# Altium PCB RPlan_LB.PcbDoc (part 4 of 5)
Units mm, origin at the board's own origin, x right, y up, seen from the top; angles counter-clockwise.
Board outline 152.4 x 101.6 mm, 2 copper layers (Top Layer, Bottom Layer); 94 components, 100 nets, 537 pads, 95 vias.
Unrouted connection lines stored in the file: 138.
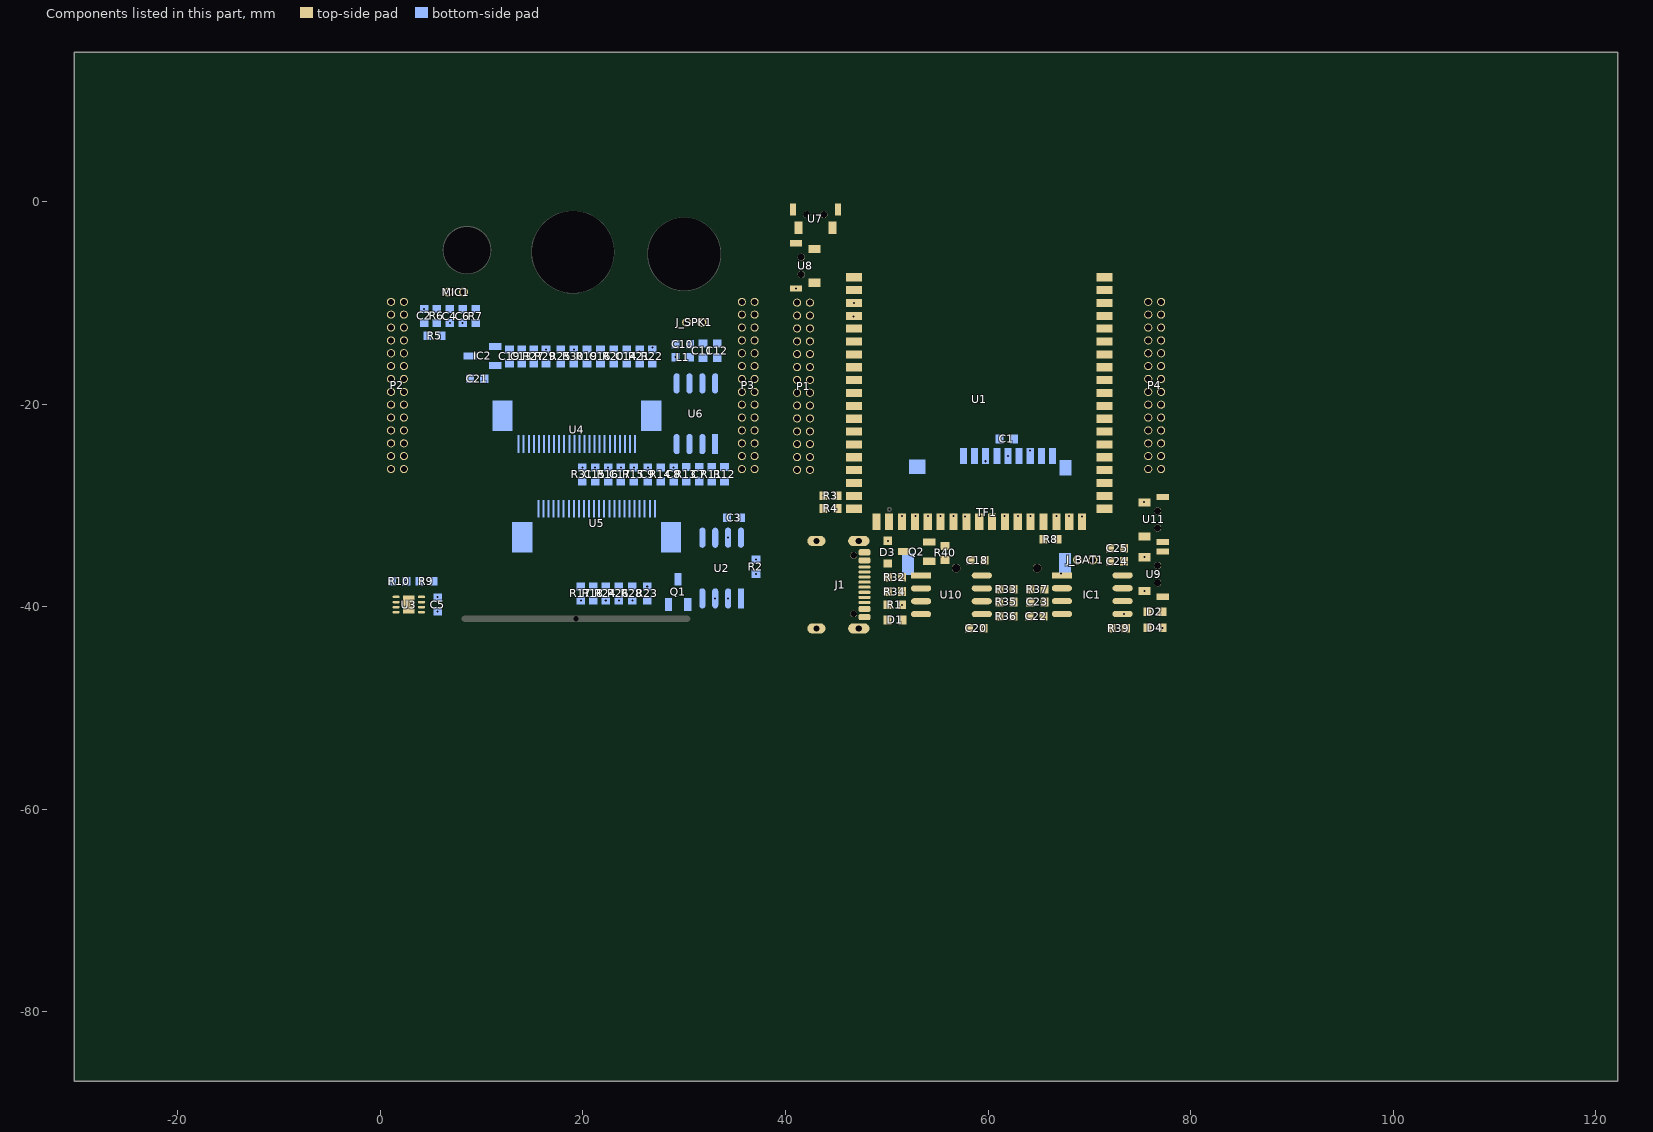
[diagram p4: the components of this part, seen from the top]

## Via types
v1: diameter 0.5, hole 0.3, Top Layer to Bottom Layer, 70 vias
v2: diameter 0.4, hole 0.2, Top Layer to Bottom Layer, 25 vias

## Nets (pads, with @x,y where several pads share a name; then routed paths per layer and width w, separated by ;. In a path a pad name is that pad's centre, name@x,y a point inside that pad or via, vN(x,y) a via of type N, cw(c..) or ccw(c..) an arc to the next point about the centre after c; other vN are vias at no path point) (continued)
copper on no net: (continued)
  Bottom Layer w0.025: 56.497,-15.715 57.386,-15.715 ; 56.497,-15.69 57.386,-15.69 ; 56.497,-15.664 57.386,-15.664 ; 56.497,-15.639 57.386,-15.639 ; 56.497,-15.613 57.386,-15.613 ; 56.497,-15.588 57.386,-15.588 ; 56.497,-15.563 57.386,-15.563 ; 56.497,-15.537 57.386,-15.537 ; 56.497,-15.512 57.386,-15.512 ; 56.497,-15.486 57.386,-15.486 ; 56.497,-15.461 57.386,-15.461 ; 56.497,-15.436 57.386,-15.436 ; 56.497,-15.41 57.183,-15.41 ; 56.497,-15.385 57.183,-15.385 ; 56.497,-15.359 57.183,-15.359 ; 56.497,-15.334 57.183,-15.334 ; 56.497,-15.309 57.183,-15.309 ; 56.497,-15.283 57.183,-15.283 ; 56.497,-15.258 57.183,-15.258 ; 56.497,-15.232 57.183,-15.232 ; 56.497,-15.207 57.183,-15.207 ; 56.497,-15.182 57.183,-15.182 ; 56.497,-15.156 57.183,-15.156 ; 56.497,-15.131 57.183,-15.131 ; 56.497,-14.775 56.852,-14.775 ; 56.497,-14.75 56.852,-14.75 ; 56.497,-14.724 56.852,-14.724 ; 56.497,-14.699 56.852,-14.699 ; 56.497,-14.674 56.852,-14.674 ; 56.497,-14.648 56.852,-14.648 ; 56.497,-14.623 56.852,-14.623 ; 56.497,-14.597 56.852,-14.597 ; 56.497,-14.572 56.852,-14.572 ; 56.497,-14.547 56.852,-14.547 ; 56.497,-14.521 56.852,-14.521 ; 56.497,-14.496 56.852,-14.496 ; 56.497,-14.47 56.852,-14.47 ; 56.497,-14.445 56.852,-14.445 ; 56.497,-14.115 56.852,-14.115 ; 56.497,-14.089 56.852,-14.089 ; 56.497,-14.064 56.852,-14.064 ; 56.497,-14.039 56.852,-14.039 ; 56.497,-14.013 56.852,-14.013 ; 56.497,-13.988 56.852,-13.988 ; 56.497,-13.962 56.852,-13.962 ; 56.497,-13.937 56.852,-13.937 ; 56.497,-13.912 56.852,-13.912 ; 56.497,-13.886 56.852,-13.886 ; 56.497,-13.861 56.852,-13.861 ; 56.497,-13.835 56.852,-13.835 ; 56.497,-13.81 56.852,-13.81 ; 56.497,-13.429 56.878,-13.429 ; 56.497,-13.404 56.852,-13.404 ; 56.497,-13.378 56.852,-13.378 ; 56.497,-13.353 56.852,-13.353 ; 56.497,-13.327 56.852,-13.327 ; 56.497,-13.302 56.852,-13.302 ; 56.497,-13.277 56.852,-13.277 ; 56.497,-13.251 56.852,-13.251 ; 56.497,-13.226 56.852,-13.226 ; 56.497,-13.2 56.852,-13.2 ; 56.497,-13.175 56.852,-13.175 ; 56.497,-13.15 56.852,-13.15 ; 56.497,-12.743 56.852,-12.743 ; 56.497,-12.718 56.852,-12.718 ; 56.497,-12.692 56.852,-12.692 ; 56.497,-12.667 56.852,-12.667 ; 56.497,-12.642 56.852,-12.642 ; 56.497,-12.616 56.852,-12.616 ; 56.497,-12.591 56.852,-12.591 ; 56.497,-12.565 56.852,-12.565 ; 56.497,-12.54 56.852,-12.54 ; 56.497,-12.515 56.852,-12.515 ; 56.497,-12.489 56.852,-12.489 ; 56.497,-12.464 56.852,-12.464 ; 56.802,-21.405 57.183,-21.405 ; 56.802,-21.379 57.183,-21.379 ; 56.802,-21.252 57.183,-21.252 ; 56.802,-21.227 57.183,-21.227 ; 56.802,-21.125 57.183,-21.125 ; 56.802,-19.525 57.183,-19.525 ; 56.802,-19.5 57.183,-19.5 ; 56.802,-19.474 57.183,-19.474 ; 56.802,-18.738 57.843,-18.738 ; 56.802,-18.712 57.843,-18.712 ; 56.802,-18.611 57.843,-18.611 ; 56.802,-18.534 57.843,-18.534 ; 56.802,-18.509 57.843,-18.509 ; 56.802,-18.484 57.843,-18.484 ; 56.802,-18.458 57.843,-18.458 ; 56.802,-12.108 57.183,-12.108 ; 56.802,-12.083 57.183,-12.083 ; 56.802,-11.829 57.183,-11.829 ; 56.802,-11.803 59.164,-11.803 ; 56.802,-11.778 59.164,-11.778 ; 56.802,-11.448 57.538,-11.448 ; 56.802,-11.422 57.538,-11.422 ; 56.802,-11.397 57.538,-11.397 ; 56.802,-11.194 57.538,-11.194 ; 56.802,-11.168 57.538,-11.168 ; 56.802,-11.143 57.538,-11.143 ; 56.802,-10.432 58.529,-10.432 ; 56.802,-10.406 58.529,-10.406 ; 56.852,-21.354 57.183,-21.354 ; 56.852,-21.328 57.183,-21.328 ; 56.852,-21.303 57.183,-21.303 ; 56.852,-21.278 57.183,-21.278 ; 56.852,-21.201 57.183,-21.201 ; 56.852,-21.176 57.183,-21.176 ; 56.852,-21.151 57.183,-21.151 ; 56.852,-20.058 57.183,-20.058 ; 56.852,-20.033 57.183,-20.033 ; 56.852,-20.008 57.183,-20.008 ; 56.852,-19.982 57.183,-19.982 ; 56.852,-19.957 57.183,-19.957 ; 56.852,-19.931 57.183,-19.931 ; 56.852,-19.906 57.183,-19.906 ; 56.852,-19.881 57.183,-19.881 ; 56.852,-19.855 57.183,-19.855 ; 56.852,-19.83 57.183,-19.83 ; 56.852,-19.804 57.183,-19.804 ; 56.852,-19.779 57.183,-19.779 ; 56.852,-19.754 57.183,-19.754 ; 56.852,-19.728 57.183,-19.728 ; 56.852,-19.703 57.183,-19.703 ; 56.852,-19.677 57.183,-19.677 ; 56.852,-19.652 57.183,-19.652 ; 56.852,-19.627 57.183,-19.627 ; 56.852,-19.601 57.183,-19.601 ; 56.852,-19.576 57.183,-19.576 ; 56.852,-19.55 57.183,-19.55 ; 56.852,-18.687 57.843,-18.687 ; 56.852,-18.661 57.843,-18.661 ; 56.852,-18.636 57.843,-18.636 ; 56.852,-18.585 57.843,-18.585 ; 56.852,-18.56 57.843,-18.56 ; 56.852,-12.057 57.183,-12.057 ; 56.852,-12.032 57.183,-12.032 ; 56.852,-12.007 57.183,-12.007 ; 56.852,-11.981 57.183,-11.981 ; 56.852,-11.956 57.183,-11.956 ; 56.852,-11.93 57.183,-11.93 ; 56.852,-11.905 57.183,-11.905 ; 56.852,-11.88 57.183,-11.88 ; 56.852,-11.854 57.183,-11.854 ; 56.852,-11.372 57.538,-11.372 ; 56.852,-11.346 57.538,-11.346 ; 56.852,-11.321 57.538,-11.321 ; 56.852,-11.295 57.538,-11.295 ; 56.852,-11.27 57.538,-11.27 ; 56.852,-11.245 57.538,-11.245 ; 56.852,-11.219 57.538,-11.219 ; 56.852,-10.457 58.529,-10.457 ; 56.852,-10.381 58.529,-10.381 ; 56.852,-10.356 58.529,-10.356 ; 56.852,-10.33 58.529,-10.33 ; 56.852,-10.305 58.529,-10.305 ; 56.852,-10.279 58.529,-10.279 ; 56.852,-10.254 58.529,-10.254 ; 56.852,-10.229 58.529,-10.229 ; 56.852,-10.203 58.529,-10.203 ; 56.852,-10.178 58.529,-10.178 ; 56.852,-10.152 58.529,-10.152 ; 56.852,-10.127 59.85,-10.127 ; 56.852,-10.102 59.85,-10.102 ; 57.157,-22.09 58.173,-22.09 ; 57.157,-22.065 58.173,-22.065 ; 57.157,-22.04 58.173,-22.04 ; 57.157,-22.014 58.173,-22.014 ; 57.157,-21.989 58.173,-21.989 ; 57.157,-21.963 58.173,-21.963 ; 57.157,-21.938 58.173,-21.938 ; 57.157,-21.913 58.173,-21.913 ; 57.157,-21.887 58.173,-21.887 ; 57.157,-21.862 58.173,-21.862 ; 57.157,-21.836 58.173,-21.836 ; 57.157,-21.811 58.173,-21.811 ; 57.157,-21.786 58.173,-21.786 ; 57.157,-21.76 58.173,-21.76 ; 57.157,-21.049 57.538,-21.049 ; 57.157,-21.024 57.538,-21.024 ; 57.157,-20.998 57.538,-20.998 ; 57.157,-20.973 57.538,-20.973 ; 57.157,-20.947 57.538,-20.947 ; 57.157,-20.922 57.538,-20.922 ; 57.157,-20.897 57.538,-20.897 ; 57.157,-20.871 57.538,-20.871 ; 57.157,-20.846 57.538,-20.846 ; 57.157,-20.82 57.538,-20.82 ; 57.157,-20.795 57.538,-20.795 ; 57.157,-20.77 57.538,-20.77 ; 57.157,-20.414 57.538,-20.414 ; 57.157,-20.389 57.538,-20.389 ; 57.157,-20.363 57.538,-20.363 ; 57.157,-20.338 57.538,-20.338 ; 57.157,-20.312 57.538,-20.312 ; 57.157,-20.287 57.538,-20.287 ; 57.157,-20.262 57.538,-20.262 ; 57.157,-20.236 57.538,-20.236 ; 57.157,-20.211 57.538,-20.211 ; 57.157,-20.185 57.538,-20.185 ; 57.157,-20.16 57.538,-20.16 ; 57.157,-20.135 57.538,-20.135 ; 57.157,-17.747 57.538,-17.747 ; 57.157,-17.722 57.538,-17.722 ; 57.157,-17.696 57.538,-17.696 ; 57.157,-17.671 57.538,-17.671 ; 57.157,-17.645 57.538,-17.645 ; 57.157,-17.62 57.538,-17.62 ; 57.157,-17.595 57.538,-17.595 ; 57.157,-17.569 57.538,-17.569 ; 57.157,-17.544 57.538,-17.544 ; 57.157,-17.518 57.538,-17.518 ; 57.157,-17.493 57.538,-17.493 ; 57.157,-17.468 57.538,-17.468 ; 57.157,-16.756 57.386,-16.756 ; 57.157,-16.731 57.386,-16.731 ; 57.157,-16.706 57.386,-16.706 ; 57.157,-16.68 57.386,-16.68 ; 57.157,-16.655 57.386,-16.655 ; 57.157,-16.629 57.386,-16.629 ; 57.157,-16.604 57.386,-16.604 ; 57.157,-16.579 57.386,-16.579 ; 57.157,-16.553 57.386,-16.553 ; 57.157,-16.528 57.386,-16.528 ; 57.157,-16.502 57.386,-16.502 ; 57.157,-16.477 57.386,-16.477 ; 57.157,-15.08 57.386,-15.08 ; 57.157,-15.055 57.386,-15.055 ; 57.157,-15.029 57.386,-15.029 ; 57.157,-15.004 57.386,-15.004 ; 57.157,-14.978 57.386,-14.978 ; 57.157,-14.953 57.386,-14.953 ; 57.157,-14.928 57.386,-14.928 ; 57.157,-14.902 57.386,-14.902 ; 57.157,-14.877 57.386,-14.877 ; 57.157,-14.851 57.386,-14.851 ; 57.157,-14.826 57.386,-14.826 ; 57.157,-14.801 57.386,-14.801 ; 57.157,-14.775 57.386,-14.775 ; 57.157,-14.75 57.386,-14.75 ; 57.157,-14.724 57.386,-14.724 ; 57.157,-14.699 57.386,-14.699 ; 57.157,-14.674 57.386,-14.674 ; 57.157,-14.648 57.411,-14.648 ; 57.157,-14.623 57.411,-14.623 ; 57.157,-14.597 57.411,-14.597 ; 57.157,-14.572 57.462,-14.572 ; 57.157,-14.547 57.462,-14.547 ; 57.157,-14.521 57.462,-14.521 ; 57.157,-14.496 57.487,-14.496 ; 57.157,-14.47 57.538,-14.47 ; 57.157,-14.445 57.538,-14.445 ; 57.157,-13.429 57.843,-13.429 ; 57.157,-13.404 57.843,-13.404 ; 57.157,-13.378 57.843,-13.378 ; 57.157,-13.353 57.843,-13.353 ; 57.157,-13.327 57.843,-13.327 ; 57.157,-13.302 57.843,-13.302 ; 57.157,-13.277 57.843,-13.277 ; 57.157,-13.251 57.843,-13.251 ; 57.157,-13.226 57.843,-13.226 ; 57.157,-13.2 57.843,-13.2 ; 57.157,-13.175 57.843,-13.175 ; 57.157,-13.15 57.843,-13.15 ; 57.157,-12.743 57.843,-12.743 ; 57.157,-12.718 57.843,-12.718 ; 57.157,-12.692 57.843,-12.692 ; 57.157,-12.667 57.843,-12.667 ; 57.157,-12.642 57.843,-12.642 ; 57.157,-12.616 57.843,-12.616 ; 57.157,-12.591 57.843,-12.591 ; 57.157,-12.565 57.843,-12.565 ; 57.157,-12.54 57.843,-12.54 ; 57.157,-12.515 57.843,-12.515 ; 57.157,-12.489 57.843,-12.489 ; 57.157,-12.464 57.843,-12.464 ; 57.157,-11.753 57.538,-11.753 ; 57.157,-11.727 57.538,-11.727 ; 57.157,-11.702 57.538,-11.702 ; 57.157,-11.676 57.538,-11.676 ; 57.157,-11.651 57.538,-11.651 ; 57.157,-11.626 57.538,-11.626 ; 57.157,-11.6 57.538,-11.6 ; 57.157,-11.575 57.538,-11.575 ; 57.157,-11.549 57.538,-11.549 ; 57.157,-11.524 57.538,-11.524 ; 57.157,-11.499 57.538,-11.499 ; 57.157,-11.473 57.538,-11.473 ; 57.157,-10.813 57.538,-10.813 ; 57.157,-10.787 57.538,-10.787 ; 57.157,-10.762 57.538,-10.762 ; 57.157,-10.737 57.538,-10.737 ; 57.157,-10.711 57.538,-10.711 ; 57.157,-10.686 57.538,-10.686 ; 57.157,-10.66 57.538,-10.66 ; 57.157,-10.635 57.538,-10.635 ; 57.157,-10.61 57.538,-10.61 ; 57.157,-10.584 57.538,-10.584 ; 57.157,-10.559 57.538,-10.559 ; 57.157,-10.533 57.538,-10.533 ; 57.157,-10.508 57.538,-10.508 ; 57.157,-10.483 57.538,-10.483 ; 57.487,-21.735 57.868,-21.735 ; 57.487,-21.709 57.843,-21.709 ; 57.487,-21.684 57.843,-21.684 ; 57.487,-21.659 57.843,-21.659 ; 57.487,-21.633 57.843,-21.633 ; 57.487,-21.608 57.843,-21.608 ; 57.487,-21.582 57.843,-21.582 ; 57.487,-21.557 57.843,-21.557 ; 57.487,-21.532 57.843,-21.532 ; 57.487,-21.506 57.843,-21.506 ; 57.487,-21.481 57.843,-21.481 ; 57.487,-21.455 57.843,-21.455 ; 57.487,-21.43 57.843,-21.43 ; 57.487,-21.405 57.843,-21.405 ; 57.487,-21.379 57.843,-21.379 ; 57.487,-21.354 57.843,-21.354 ; 57.487,-21.328 57.843,-21.328 ; 57.487,-21.303 57.843,-21.303 ; 57.487,-21.278 57.843,-21.278 ; 57.487,-21.252 57.843,-21.252 ; 57.487,-21.227 57.843,-21.227 ; 57.487,-21.201 57.843,-21.201 ; 57.487,-21.176 57.843,-21.176 ; 57.487,-21.151 57.843,-21.151 ; 57.487,-21.125 57.843,-21.125 ; 57.487,-19.754 59.519,-19.754 ; 57.487,-19.728 58.529,-19.728 ; 57.487,-19.703 58.529,-19.703 ; 57.487,-19.677 58.529,-19.677 ; 57.487,-19.652 58.529,-19.652 ; 57.487,-19.627 58.529,-19.627 ; 57.487,-19.601 58.529,-19.601 ; 57.487,-19.576 58.529,-19.576 ; 57.487,-19.55 58.529,-19.55 ; 57.487,-19.525 58.529,-19.525 ; 57.487,-19.5 58.529,-19.5 ; 57.487,-19.474 58.529,-19.474 ; 57.487,-14.42 57.564,-14.42 ; 57.487,-14.394 57.64,-14.394 ; 57.487,-14.369 57.64,-14.369 ; 57.487,-14.343 57.716,-14.343 ; 57.487,-14.318 57.843,-14.318 ; 57.487,-14.293 57.843,-14.293 ; 57.487,-14.267 57.843,-14.267 ; 57.487,-14.242 57.843,-14.242 ; 57.487,-14.216 57.843,-14.216 ; 57.487,-14.191 57.843,-14.191 ; 57.487,-14.166 57.843,-14.166 ; 57.487,-14.14 57.843,-14.14 ; 57.487,-14.115 57.843,-14.115 ; 57.487,-14.089 57.843,-14.089 ; 57.487,-14.064 57.843,-14.064 ; 57.487,-14.039 57.843,-14.039 ; 57.487,-14.013 57.843,-14.013 ; 57.487,-13.988 57.843,-13.988 ; 57.487,-13.962 57.843,-13.962 ; 57.487,-13.937 57.843,-13.937 ; 57.487,-13.912 57.843,-13.912 ; 57.487,-13.886 57.843,-13.886 ; 57.487,-13.861 57.843,-13.861 ; 57.487,-13.835 57.843,-13.835 ; 57.487,-13.81 57.843,-13.81 ; 57.487,-12.108 57.843,-12.108 ; 57.487,-12.083 57.843,-12.083 ; 57.487,-12.057 57.843,-12.057 ; 57.487,-12.032 57.843,-12.032 ; 57.487,-12.007 57.843,-12.007 ; 57.487,-11.981 57.843,-11.981 ; 57.487,-11.956 57.843,-11.956 ; 57.487,-11.93 57.843,-11.93 ; 57.487,-11.905 57.843,-11.905 ; 57.487,-11.88 57.843,-11.88 ; 57.487,-11.854 57.843,-11.854 ; 57.487,-11.829 57.843,-11.829 ; 57.614,-15.537 57.843,-15.537 ; 57.614,-15.512 57.843,-15.512 ; 57.614,-15.486 57.691,-15.486 ; 57.614,-15.461 57.64,-15.461 ; 57.614,-15.436 57.64,-15.436 ; 57.64,-15.563 57.792,-15.563 ; 57.691,-15.766 57.716,-15.766 ; 57.691,-15.74 57.716,-15.74 ; 57.691,-15.715 57.767,-15.715 ; 57.691,-15.69 57.767,-15.69 ; 57.691,-15.664 57.767,-15.664 ; 57.691,-15.639 57.767,-15.639 ; 57.691,-15.613 57.767,-15.613 ; 57.691,-15.588 57.767,-15.588 ; 57.767,-15.486 57.843,-15.486 ; 57.767,-15.461 57.843,-15.461 ; 57.767,-15.436 57.843,-15.436 ; 57.792,-17.62 58.173,-17.62 ; 57.792,-17.595 58.173,-17.595 ; 57.792,-17.569 58.173,-17.569 ; 57.843,-20.439 58.834,-20.439 ; 57.843,-20.414 58.173,-20.414 ; 57.843,-20.389 58.173,-20.389 ; 57.843,-20.363 58.173,-20.363 ; 57.843,-20.338 58.173,-20.338 ; 57.843,-20.312 58.173,-20.312 ; 57.843,-20.287 58.173,-20.287 ; 57.843,-20.262 58.173,-20.262 ; 57.843,-20.236 58.173,-20.236 ; 57.843,-20.211 58.173,-20.211 ; 57.843,-20.185 58.173,-20.185 ; 57.843,-20.16 58.173,-20.16 ; 57.843,-20.135 58.173,-20.135 ; 57.843,-20.109 58.173,-20.109 ; 57.843,-20.084 58.173,-20.084 ; 57.843,-17.747 58.173,-17.747 ; 57.843,-17.722 58.173,-17.722 ; 57.843,-17.696 58.173,-17.696 ; 57.843,-17.671 58.173,-17.671 ; 57.843,-17.645 58.173,-17.645 ; 57.843,-13.099 58.834,-13.099 ; 57.843,-13.073 58.834,-13.073 ; 57.843,-13.048 58.834,-13.048 ; 57.843,-13.023 58.834,-13.023 ; 57.843,-12.997 58.834,-12.997 ; 57.843,-12.972 58.834,-12.972 ; 57.843,-12.946 58.834,-12.946 ; 57.843,-12.921 58.834,-12.921 ; 57.843,-12.896 58.834,-12.896 ; 57.843,-12.87 58.834,-12.87 ; 57.843,-12.845 58.834,-12.845 ; 57.843,-12.819 58.834,-12.819 ; 57.843,-11.753 59.164,-11.753 ; 57.843,-11.727 59.164,-11.727 ; 57.843,-11.702 59.164,-11.702 ; 57.843,-11.676 59.164,-11.676 ; 57.843,-11.651 59.164,-11.651 ; 57.843,-11.626 59.164,-11.626 ; 57.843,-11.6 59.164,-11.6 ; 57.843,-11.575 59.164,-11.575 ; 57.843,-11.549 59.164,-11.549 ; 57.843,-11.524 59.164,-11.524 ; 57.843,-11.499 59.164,-11.499 ; 57.843,-11.473 59.164,-11.473 ; 57.843,-11.448 59.519,-11.448 ; 57.868,-15.715 57.945,-15.715 ; 57.868,-15.69 57.945,-15.69 ; 57.868,-15.664 57.945,-15.664 ; 57.868,-15.639 57.945,-15.639 ; 57.868,-15.613 58.072,-15.613 ; 57.868,-15.588 58.072,-15.588 ; 57.868,-15.563 58.072,-15.563 ; 57.868,-15.537 57.945,-15.537 ; 57.868,-15.512 57.945,-15.512 ; 57.868,-15.486 57.945,-15.486 ; 57.868,-15.461 57.919,-15.461 ; 57.868,-15.436 57.919,-15.436 ; 57.919,-16.452 58.249,-16.452 ; 57.919,-16.426 58.249,-16.426 ; 57.919,-16.401 58.402,-16.401 ; 57.919,-16.071 58.3,-16.071 ; 57.919,-16.045 58.3,-16.045 ; 57.919,-16.02 58.173,-16.02 ; 57.919,-15.994 58.021,-15.994 ; 57.919,-15.969 58.021,-15.969 ; 57.919,-15.766 57.945,-15.766 ; 57.919,-15.74 57.945,-15.74 ; 57.945,-16.477 58.072,-16.477 ; 57.995,-16.096 58.402,-16.096 ; 57.995,-15.69 58.605,-15.69 ; 57.995,-15.664 58.605,-15.664 ; 57.995,-15.639 58.097,-15.639 ; 57.995,-15.537 58.097,-15.537 ; 57.995,-15.512 58.097,-15.512 ; 58.021,-15.486 58.224,-15.486 ; 58.072,-16.375 58.605,-16.375 ; 58.072,-16.35 58.605,-16.35 ; 58.072,-15.715 58.224,-15.715 ; 58.072,-15.461 58.173,-15.461 ; 58.072,-15.436 58.173,-15.436 ; 58.148,-21.43 59.164,-21.43 ; 58.148,-21.405 58.529,-21.405 ; 58.148,-21.379 58.529,-21.379 ; 58.148,-21.354 58.529,-21.354 ; 58.148,-21.328 58.529,-21.328 ; 58.148,-21.303 58.529,-21.303 ; 58.148,-21.278 58.529,-21.278 ; 58.148,-21.252 58.529,-21.252 ; 58.148,-21.227 58.529,-21.227 ; 58.148,-21.201 58.529,-21.201 ; 58.148,-21.176 58.529,-21.176 ; 58.148,-21.151 58.529,-21.151 ; 58.148,-21.125 58.529,-21.125 ; 58.148,-21.1 58.834,-21.1 ; 58.148,-21.074 58.834,-21.074 ; 58.148,-20.744 58.834,-20.744 ; 58.148,-20.719 58.834,-20.719 ; 58.148,-20.693 58.834,-20.693 ; 58.148,-20.668 58.834,-20.668 ; 58.148,-20.643 58.834,-20.643 ; 58.148,-20.617 58.834,-20.617 ; 58.148,-20.592 58.834,-20.592 ; 58.148,-20.566 58.834,-20.566 ; 58.148,-20.541 58.834,-20.541 ; 58.148,-20.516 58.834,-20.516 ; 58.148,-20.49 58.834,-20.49 ; 58.148,-20.465 58.834,-20.465 ; 58.148,-19.423 58.834,-19.423 ; 58.148,-19.398 58.834,-19.398 ; 58.148,-19.373 58.834,-19.373 ; 58.148,-19.347 58.834,-19.347 ; 58.148,-19.322 58.834,-19.322 ; 58.148,-19.296 58.834,-19.296 ; 58.148,-19.271 58.834,-19.271 ; 58.148,-19.246 58.834,-19.246 ; 58.148,-19.22 58.834,-19.22 ; 58.148,-19.195 58.834,-19.195 ; 58.148,-19.169 58.834,-19.169 ; 58.148,-19.144 58.834,-19.144 ; 58.148,-19.119 58.834,-19.119 ; 58.148,-19.093 58.834,-19.093 ; 58.148,-16.147 58.554,-16.147 ; 58.148,-16.121 58.554,-16.121 ; 58.148,-15.639 58.605,-15.639 ; 58.148,-15.613 58.224,-15.613 ; 58.148,-15.588 58.224,-15.588 ; 58.148,-15.563 58.224,-15.563 ; 58.148,-15.537 58.224,-15.537 ; 58.148,-15.512 58.224,-15.512 ; 58.148,-14.115 58.529,-14.115 ; 58.148,-14.089 58.529,-14.089 ; 58.148,-14.064 58.529,-14.064 ; 58.148,-14.039 58.529,-14.039 ; 58.148,-14.013 58.529,-14.013 ; 58.148,-13.988 58.529,-13.988 ; 58.148,-13.962 58.529,-13.962 ; 58.148,-13.937 58.529,-13.937 ; 58.148,-13.912 58.529,-13.912 ; 58.148,-13.886 58.529,-13.886 ; 58.148,-13.861 58.529,-13.861 ; 58.148,-13.835 58.529,-13.835 ; 58.148,-13.81 58.529,-13.81 ; 58.148,-13.785 58.529,-13.785 ; 58.148,-13.759 58.529,-13.759 ; 58.148,-13.734 58.529,-13.734 ; 58.148,-13.708 58.529,-13.708 ; 58.148,-13.683 58.529,-13.683 ; 58.148,-13.658 58.529,-13.658 ; 58.148,-13.632 58.529,-13.632 ; 58.148,-13.607 58.529,-13.607 ; 58.148,-13.581 58.529,-13.581 ; 58.148,-13.556 58.529,-13.556 ; 58.148,-13.531 58.529,-13.531 ; 58.148,-13.505 58.529,-13.505 ; 58.148,-13.48 58.834,-13.48 ; 58.148,-13.454 58.834,-13.454 ; 58.148,-13.429 58.834,-13.429 ; 58.148,-13.404 58.834,-13.404 ; 58.148,-13.378 58.834,-13.378 ; 58.148,-13.353 58.834,-13.353 ; 58.148,-13.327 58.834,-13.327 ; 58.148,-13.302 58.834,-13.302 ; 58.148,-13.277 58.834,-13.277 ; 58.148,-13.251 58.834,-13.251 ; 58.148,-13.226 58.834,-13.226 ; 58.148,-13.2 58.834,-13.2 ; 58.148,-13.175 58.834,-13.175 ; 58.148,-13.15 58.834,-13.15 ; 58.148,-12.743 59.164,-12.743 ; 58.148,-12.718 59.164,-12.718 ; 58.148,-12.692 59.164,-12.692 ; 58.148,-12.667 59.164,-12.667 ; 58.148,-12.642 59.164,-12.642 ; 58.148,-12.616 59.164,-12.616 ; 58.148,-12.591 59.164,-12.591 ; 58.148,-12.565 59.164,-12.565 ; 58.148,-12.54 59.164,-12.54 ; 58.148,-12.515 59.164,-12.515 ; 58.148,-12.489 59.164,-12.489 ; 58.148,-12.464 59.164,-12.464 ; 58.148,-12.438 59.519,-12.438 ; 58.148,-12.413 58.529,-12.413 ; 58.148,-12.388 58.529,-12.388 ; 58.148,-12.362 58.529,-12.362 ; 58.148,-12.337 58.529,-12.337 ; 58.148,-12.311 58.529,-12.311 ; 58.148,-12.286 58.529,-12.286 ; 58.148,-12.261 58.529,-12.261 ; 58.148,-12.235 58.529,-12.235 ; 58.148,-12.21 58.529,-12.21 ; 58.148,-12.184 58.529,-12.184 ; 58.148,-12.159 58.529,-12.159 ; 58.148,-12.134 58.529,-12.134 ; 58.148,-12.108 58.529,-12.108 ; 58.148,-12.083 58.529,-12.083 ; 58.148,-12.057 58.529,-12.057 ; 58.148,-12.032 58.529,-12.032 ; 58.148,-12.007 58.529,-12.007 ; 58.148,-11.981 58.529,-11.981 ; 58.148,-11.956 58.529,-11.956 ; 58.148,-11.93 58.529,-11.93 ; 58.148,-11.905 58.529,-11.905 ; 58.148,-11.88 58.529,-11.88 ; 58.148,-11.854 58.529,-11.854 ; 58.148,-11.829 58.529,-11.829 ; 58.148,-11.422 58.834,-11.422 ; 58.148,-11.397 58.834,-11.397 ; 58.148,-11.372 58.834,-11.372 ; 58.148,-11.346 58.834,-11.346 ; 58.148,-11.321 58.834,-11.321 ; 58.148,-11.295 58.834,-11.295 ; 58.148,-11.27 58.834,-11.27 ; 58.148,-11.245 58.834,-11.245 ; 58.148,-11.219 58.834,-11.219 ; 58.148,-11.194 58.834,-11.194 ; 58.148,-11.168 58.834,-11.168 ; 58.148,-11.143 58.834,-11.143 ; 58.148,-10.813 58.529,-10.813 ; 58.148,-10.787 58.529,-10.787 ; 58.148,-10.762 58.529,-10.762 ; 58.148,-10.737 58.529,-10.737 ; 58.148,-10.711 58.529,-10.711 ; 58.148,-10.686 58.529,-10.686 ; 58.148,-10.66 58.529,-10.66 ; 58.148,-10.635 58.529,-10.635 ; 58.148,-10.61 58.529,-10.61 ; 58.148,-10.584 58.529,-10.584 ; 58.148,-10.559 58.529,-10.559 ; 58.148,-10.533 58.529,-10.533 ; 58.148,-10.508 58.529,-10.508 ; 58.148,-10.483 58.529,-10.483 ; 58.224,-16.325 59.164,-16.325 ; 58.249,-16.172 